# Altium PCB smoothieboard-5driver.PcbDoc (part 3 of 5) (continued)
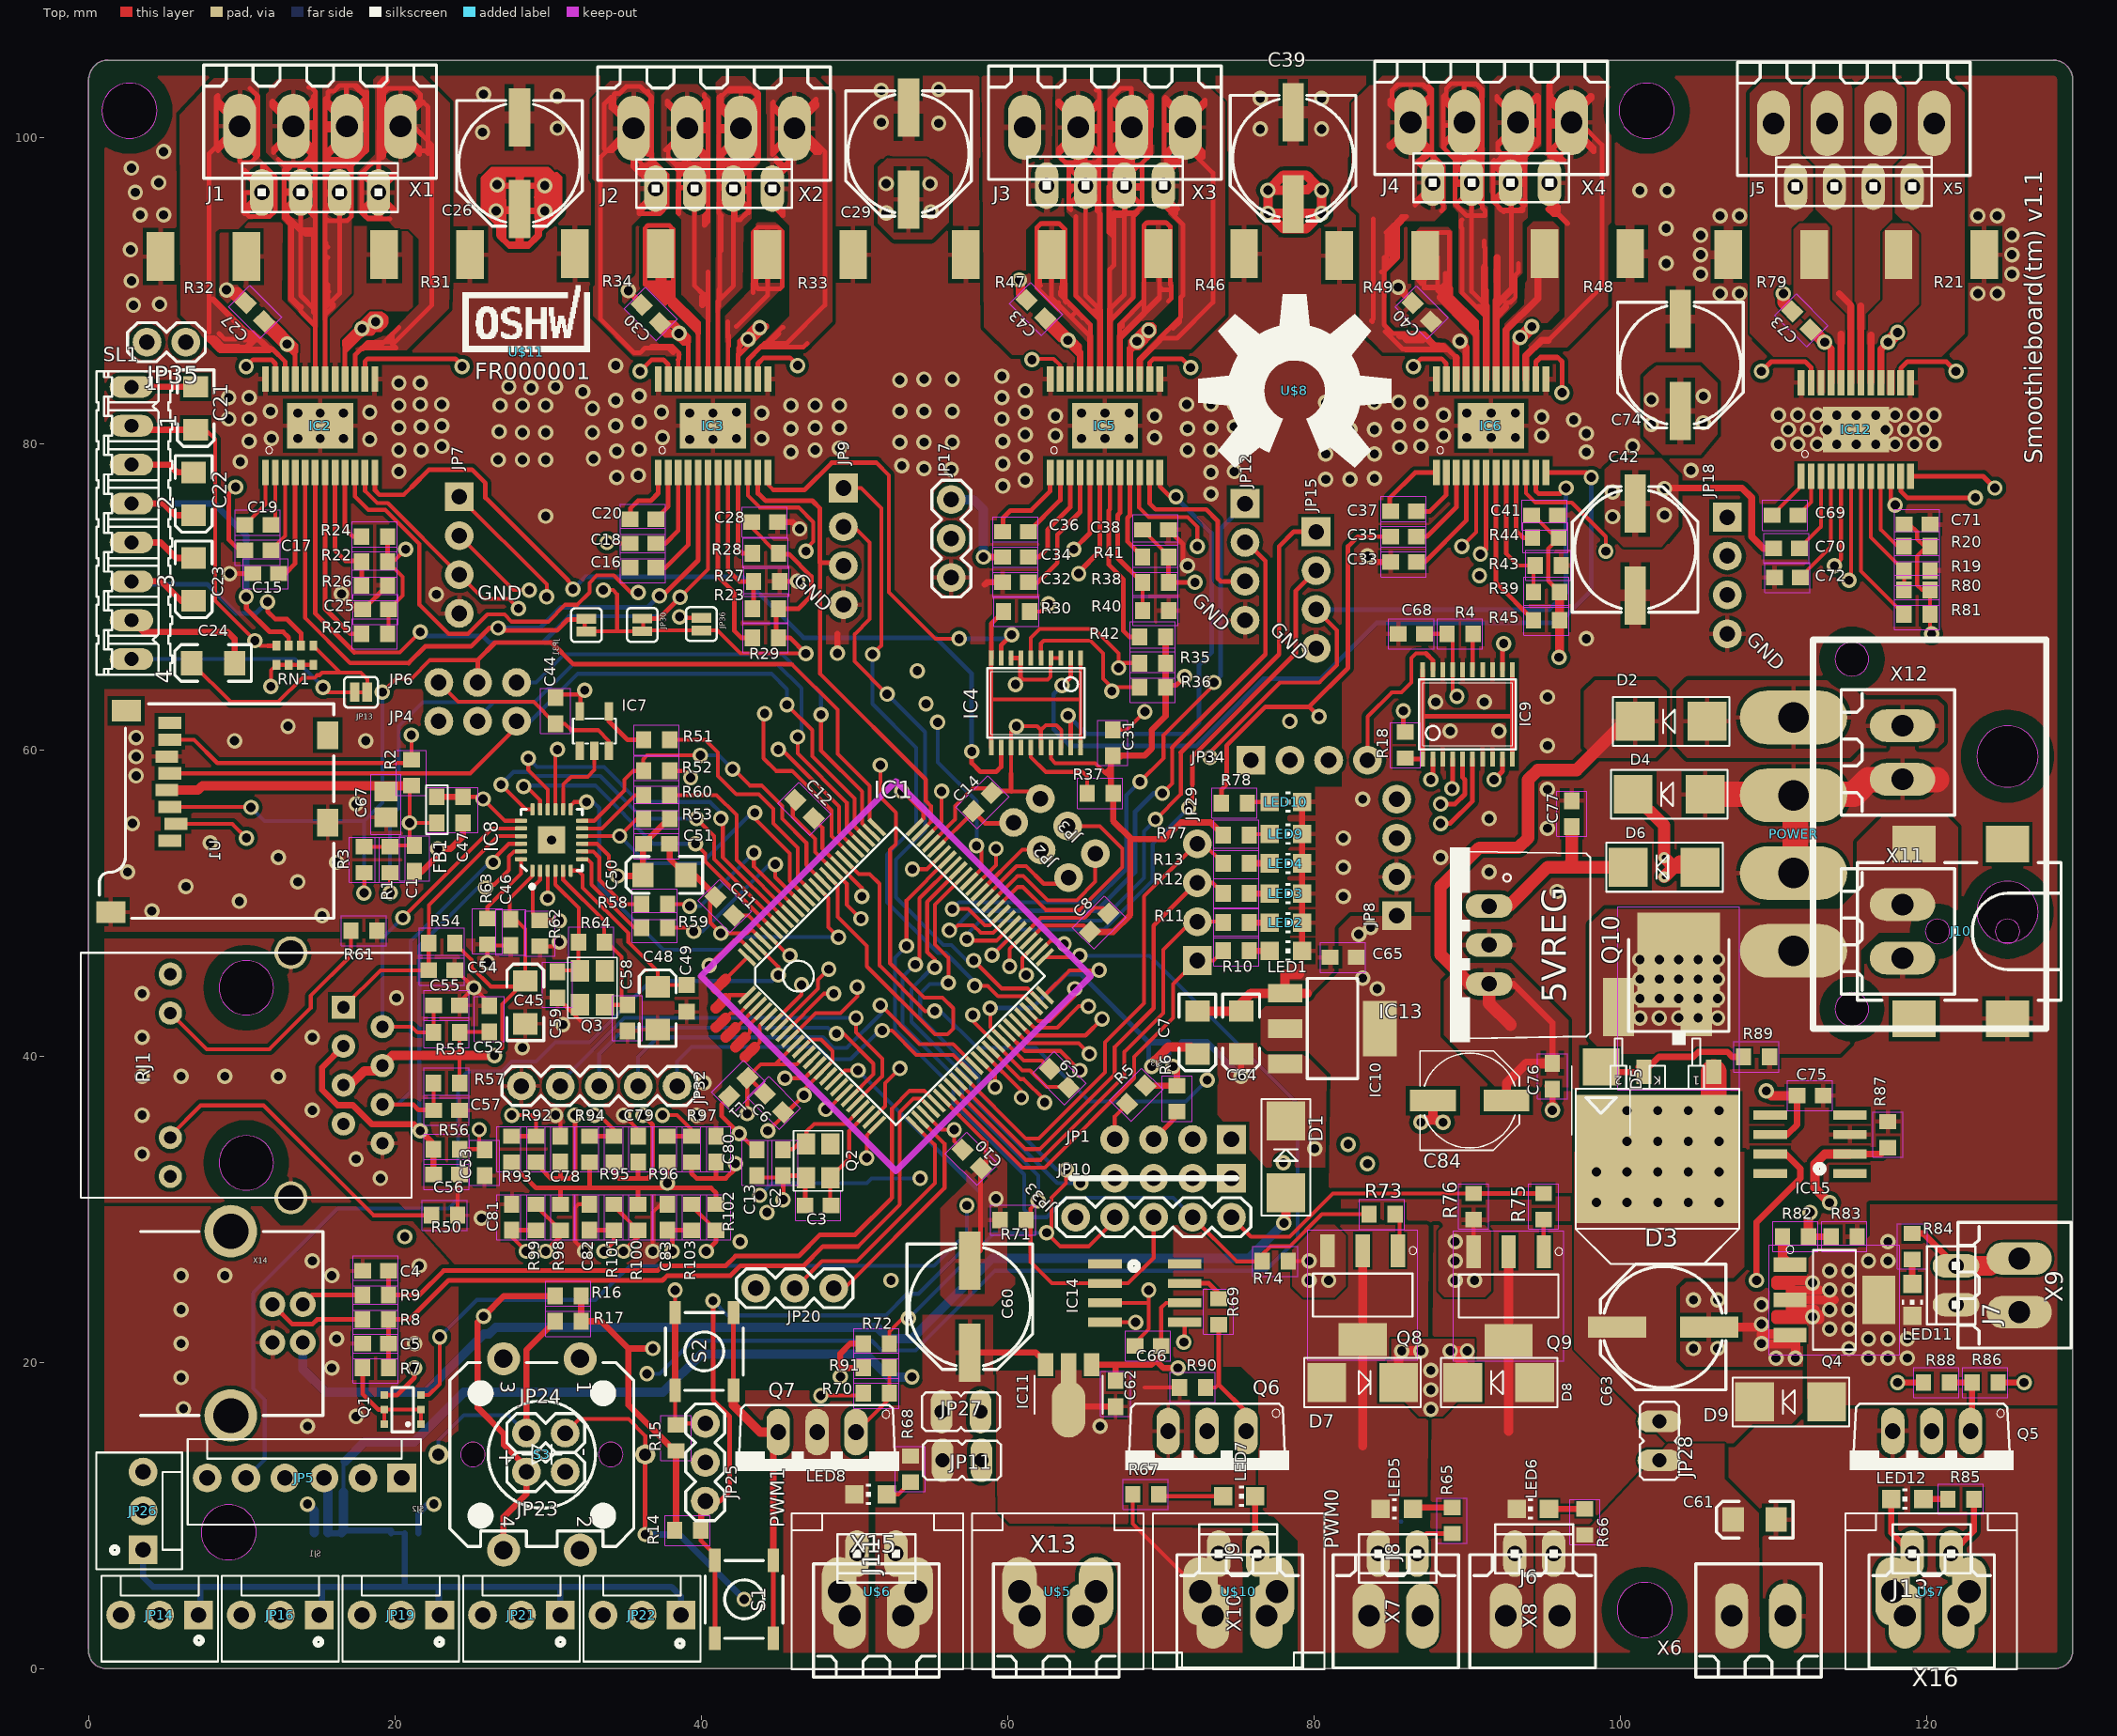
[diagram p0: Top view]
## Nets (pads, with @x,y where several pads share a name; then routed paths per layer and width w, separated by ;. In a path a pad name is that pad's centre, name@x,y a point inside that pad or via, vN(x,y) a via of type N, cw(c..) or ccw(c..) an arc to the next point about the centre after c; other vN are vias at no path point) (continued)
N$47: R50.2 RJ1.Y- | length 21
  Top w0.254: RJ1.Y-@5.342,34.671 5.342,34.798 7.311,36.767 11.438,36.767 18.614,29.591 R50.2@22.399,29.591
N$48: IC6.P15 J4.1 X4.1 | length 70.5
  Top w0.305: 95.258,95.313 95.639,94.932 95.957,94.932 96.528,94.361 96.592,94.361 95.449,95.504 95.385,95.504 ; 95.322,86.741 98.814,90.233 98.814,99.504 97.354,100.965 X4.1@96.825,100.965 96.973,100.817 96.973,99.695 95.385,98.108 J4.1@95.385,97.028 ; J4.1@95.322,97.091 95.322,95.822 95.957,95.186 95.957,95.313 ; 95.385,102.743 95.385,102.616 ; 95.576,99.187 96.782,100.393 96.782,100.457 96.719,100.457 95.576,99.314 95.576,99.251 95.449,99.123 95.449,99.06 95.322,98.933 95.322,103.378 95.449,103.505 95.449,102.425 X4.1@96.782,101.092 ; 95.385,99.441 95.385,100.711 ; 95.385,99.441 95.385,98.806 95.512,98.679 95.703,98.679 95.576,98.806 95.576,98.933 96.02,98.489 96.338,98.489 95.385,99.441 ; 95.385,100.711 96.782,100.711 96.846,100.774 98.306,99.314 98.306,99.06 98.243,99.06 96.846,100.457 96.846,101.536 98.052,102.743 98.116,102.743 98.179,102.679 98.179,102.552 96.909,101.282 96.846,101.282 95.512,102.616 95.512,102.743 95.385,102.616 ; 95.385,100.711 95.385,100.838 ; 95.385,100.838 96.846,100.838 96.909,100.901 96.909,101.028 96.846,101.092 X4.1@96.782,101.092 ; 95.385,100.838 95.385,101.092 ; 95.385,101.092 X4.1@96.592,101.092 ; 95.385,101.092 95.385,102.298 ; 95.385,102.298 95.385,102.616 ; 95.385,102.298 X4.1@96.592,101.092 ; 95.957,95.313 95.449,95.822 95.449,96.901 95.385,96.837 95.385,96.075 95.957,95.504 95.957,95.313 ; X4.1@96.592,101.092 X4.1@96.782,101.092
  Top w0.457: IC6.P15@93.85,84.203 93.85,85.714 94.877,86.741 95.322,86.741
N$49: IC6.P19 J4.3 X4.3 | length 107.8
  Top w0.305: 89.353,95.694 J4.3@90.051,96.393 ; 89.67,94.615 89.607,94.551 89.607,94.107 89.67,94.043 89.67,89.852 90.877,88.646 91.004,88.646 91.131,88.773 ; X4.3@89.825,100.965 89.825,97.445 J4.3@90.242,97.028 ; J4.3@90.305,97.028 J4.3@90.305,96.965 ; X4.3@90.813,102.298 89.861,101.346 X4.3@89.861,101.028 ; 90.94,95.631 J4.3@90.305,96.266 ; 90.94,98.489 J4.3@90.94,97.917 ; 91.131,90.678 91.131,90.043 91.194,89.98 91.194,91.567 ; 91.131,91.504 91.194,91.567 ; 91.131,91.63 91.194,91.567 ; 91.131,93.218 91.131,92.837 91.194,92.773 91.194,91.567 ; 91.194,88.328 90.75,88.773 90.75,88.963 91.131,88.963 91.194,89.027 ; 91.194,88.963 91.194,89.027 ; 91.258,88.963 91.25,88.971 91.194,89.027 ; 88.464,99.632 89.67,100.838 X4.3@89.861,100.838 ; 88.464,99.632 88.464,100.774 ; 88.464,99.632 88.464,99.314 88.527,99.251 ; 88.464,100.774 88.464,102.679 88.591,102.806 88.591,102.235 89.607,101.219 89.607,101.6 88.654,102.552 88.654,103.188 88.972,103.505 90.559,103.505 90.94,103.124 90.94,102.108 X4.3@89.861,101.028 ; 88.464,100.774 89.607,100.774 89.734,100.647 90.877,100.647 X4.3@90.877,100.838 ; 88.527,99.251 88.527,99.504 X4.3@89.861,100.838 ; 88.527,99.251 88.908,98.87 ; 88.908,98.87 88.972,98.806 ; 88.908,98.87 89.416,98.87 ; 88.972,98.806 89.353,98.806 89.416,98.87 ; 88.972,98.806 89.226,98.552 ; 89.226,98.552 90.75,98.552 91.004,98.298 ; 89.226,98.552 89.226,95.631 89.988,94.869 91.194,94.869 91.194,95.186 91.004,95.377 J4.3@91.004,96.965 ; 89.416,98.87 90.813,98.87 90.813,99.568 89.861,100.52 X4.3@89.861,100.838 ; 89.416,98.87 89.607,98.679 89.67,98.679 ; 89.67,98.679 89.289,98.298 89.289,97.028 J4.3@90.242,97.028 ; 89.67,98.679 90.94,98.679 90.94,98.933 89.607,98.933 89.353,98.679 89.289,98.679 89.67,99.06 89.67,101.663 89.797,101.79 89.797,103.441 90.686,103.441 91.004,103.124 91.004,100.838 ; X4.3@89.861,100.838 X4.3@89.861,100.901 ; X4.3@89.861,100.901 X4.3@89.924,100.838 ; X4.3@89.861,100.901 89.734,101.028 89.734,101.092 89.797,101.028 X4.3@89.861,101.028 ; X4.3@89.861,101.028 90.94,101.028 90.877,100.965 X4.3@90.877,100.838 ; X4.3@89.924,100.838 91.004,99.758 ; X4.3@89.924,100.838 X4.3@90.877,100.838 ; J4.3@90.051,96.393 J4.3@90.305,96.647 ; J4.3@90.051,96.393 90.051,97.346 89.416,97.98 89.416,98.108 J4.3@90.115,97.409 ; J4.3@90.115,97.091 J4.3@90.115,97.282 ; J4.3@90.115,97.091 J4.3@90.94,97.917 ; J4.3@90.115,97.091 90.813,97.091 90.94,97.218 J4.3@90.94,97.917 ; J4.3@90.115,97.091 89.353,97.091 89.353,96.901 90.94,96.901 J4.3@91.004,96.965 ; J4.3@90.115,97.282 J4.3@90.115,97.409 ; J4.3@90.115,97.282 90.813,97.98 90.813,98.234 90.115,97.536 J4.3@90.115,97.409 ; J4.3@90.242,97.028 J4.3@91.004,97.028 ; J4.3@90.242,97.028 J4.3@90.305,96.965 ; J4.3@90.305,96.266 J4.3@90.305,96.647 ; J4.3@90.305,96.266 90.305,89.916 91.194,89.027 ; J4.3@90.305,96.647 J4.3@90.305,96.965 ; X4.3@90.877,100.838 91.004,100.838 ; J4.3@91.004,96.965 J4.3@91.004,97.028 ; J4.3@91.004,97.028 91.004,98.298 ; 91.004,98.298 91.004,99.758 ; 91.004,99.758 91.004,100.838
  Top w0.457: 91.131,88.773 91.131,91.504 ; 91.194,89.027 91.194,89.98 ; IC6.P19@91.25,84.203 91.25,88.971
N$50: IC6.P22 J4.4 X4.4 | length 100.5
  Top w0.305: 83.828,87.947 83.765,88.011 83.892,88.138 83.892,94.678 ; 84.4,91.186 84.527,91.186 85.479,92.138 85.479,94.234 86.051,94.805 85.733,94.805 84.717,93.789 85.098,93.789 85.352,94.043 85.352,92.329 84.781,91.757 84.781,93.789 84.908,93.916 84.908,93.789 85.162,93.535 85.162,92.392 85.035,92.266 85.035,93.472 84.971,93.535 ; 84.59,92.138 84.59,87.757 85.162,87.185 87.194,87.185 87.956,86.423 ; 84.654,87.312 85.797,86.169 86.051,86.169 ; 85.924,86.804 86.051,86.677 87.13,86.677 86.876,86.931 85.606,86.931 85.543,86.995 85.543,87.058 87.067,87.058 87.702,86.423 87.956,86.423 ; 87.448,98.933 86.622,99.758 86.495,99.758 86.495,100.076 87.575,98.996 ; 87.511,103.314 87.702,103.124 87.702,102.997 ; 88.337,95.186 88.464,95.313 J4.4@88.464,96.965 ; IC6.P22@89.289,84.214 IC6.P22@89.3,84.203 ; 89.289,85.598 88.781,86.106 ; 86.051,86.169 85.987,86.106 88.781,86.106 ; 86.051,86.169 88.718,86.169 ; X4.4@86.305,100.901 X4.4@86.368,100.838 ; X4.4@86.305,100.901 84.908,99.504 84.908,99.377 84.971,99.314 85.098,99.314 X4.4@86.368,100.584 ; X4.4@86.305,100.901 86.241,100.965 86.114,100.965 84.971,102.108 84.971,102.425 86.241,101.155 86.241,101.092 86.368,101.219 86.368,101.282 85.098,102.552 85.098,103.06 85.479,103.441 87.13,103.441 87.575,102.997 87.575,102.743 86.432,101.6 86.432,101.219 87.638,102.425 87.638,103.06 87.702,102.997 ; X4.4@86.368,100.584 86.368,100.52 87.638,99.251 87.638,98.933 87.575,98.87 87.575,98.996 ; X4.4@86.368,100.584 X4.4@86.368,100.711 ; X4.4@86.368,100.711 X4.4@86.368,100.838 ; X4.4@86.368,100.711 87.702,100.711 ; X4.4@86.368,100.838 86.368,101.028 87.575,101.028 87.638,100.965 87.638,100.901 86.686,100.901 86.559,100.774 86.559,101.155 86.495,101.219 87.702,101.219 ; 87.575,98.996 87.384,98.996 86.94,98.552 86.94,98.425 87.003,98.361 87.575,98.933 87.575,99.06 87.702,99.187 ; 87.575,98.996 87.765,98.806 J4.4@87.765,97.536 ; 87.702,99.187 87.702,100.711 ; 87.702,99.187 87.702,98.87 88.464,98.108 J4.4@88.464,96.965 ; 87.702,100.711 87.702,101.219 ; 87.702,101.219 87.702,102.997 ; J4.4@87.765,97.155 J4.4@87.765,97.346 ; J4.4@87.765,97.155 J4.4@87.765,97.028 87.638,96.901 87.638,96.837 86.622,95.822 86.622,95.567 87.702,96.647 87.765,96.647 87.765,96.266 88.337,95.694 88.337,95.822 87.702,96.456 87.702,97.091 J4.4@87.765,97.155 ; J4.4@87.765,97.155 88.4,97.155 88.4,96.837 87.702,96.837 87.702,96.901 87.765,96.965 J4.4@88.464,96.965 ; J4.4@87.765,97.346 J4.4@87.765,97.536 ; J4.4@87.765,97.346 86.749,98.361 86.876,98.489 86.876,98.425 J4.4@87.765,97.536 ; 87.956,86.423 88.464,86.423 88.718,86.169 ; 88.718,86.169 88.781,86.106
  Top w0.457: IC6.P22@89.289,84.214 89.289,85.598
N$51: Q1.1 Q1.2 Q1.5 Q1.6 R7.2 | length 7.8
  Top w0.254: Q1.6@19.308,15.944 Q1.5@19.308,16.894 Q1.2@21.708,16.894 Q1.1@21.708,15.944
  Top w0.305: R7.2@17.891,19.621 17.891,17.931 18.928,16.894 Q1.5@19.308,16.894
N$52: D9.A J7.2 LED11.C Q4.4 X9.2 | length 19.1
  Top w0.61: 110.498,24.066 111.133,24.066 ; v1@112.721,23.431 111.451,23.431 111.451,23.114 113.038,23.114 113.038,22.796 110.181,22.796 110.181,23.114 111.133,23.114 111.133,24.066 ; 113.038,24.701 v1@112.403,24.701 ; 113.991,24.066 111.133,24.066 ; 111.133,24.066 111.133,24.701 ; 111.133,24.701 v1@112.403,24.701 ; 111.133,24.701 111.133,25.019 110.181,25.019 110.181,25.336 112.403,25.336 v1@112.403,24.701
  other v1: 116.213,20.256 117.483,20.256 118.753,20.256 114.943,20.892 116.213,21.526 117.483,21.526 118.753,21.526 113.673,22.162 114.943,22.162 112.562,22.955 113.673,23.431 114.943,23.431 113.673,24.701 114.943,24.701 112.562,25.178 113.673,25.971 114.943,25.971 116.213,26.607 117.483,26.607 117.483,27.877
N$53: IC6.P08 R39.1 R43.1 | length 9.3
  Top w0.254: 92.55,72.812 93.333,72.029 R43.1@94.458,72.029 94.345,71.916 R39.1@94.345,70.294
  Top w0.305: 92.55,72.812 IC6.P08@92.55,78.103
N$54: C33.2 IC6.P04 | length 7.5
  Top w0.305: C33.2@86.71,72.263 87.257,72.263 89.95,74.956 IC6.P04@89.95,78.103
N$55: IC8.7 R59.1 | length 6.6
  Top w0.254: IC8.7@32.203,52.832 IC8.7@32.214,52.832 ; IC8.7@32.234,52.852 IC8.7@32.214,52.832 ; R59.1@36.115,48.387 35.632,48.387 32.838,51.181 32.838,52.578 32.584,52.832 IC8.7@32.214,52.832
N$56: IC9.1 IC9.10 IC9.11 IC9.20 R18.1 | length 18.7
  Top w0.305: R18.1@85.976,59.454 86.038,59.391 IC9.1@87.118,59.391 87.118,62.166 ; IC9.20@87.118,65.227 87.118,62.166 ; IC9.10@92.968,59.391 92.968,62.166 ; IC9.11@92.968,65.227 92.968,62.166 ; 87.118,62.166 92.968,62.166
N$57: IC6.P09 R44.1 | length 5.1
  Top w0.305: IC6.P09@93.2,78.103 93.2,74.321 93.671,73.85 R44.1@94.281,73.85
N$58: C69.2 IC12.P01 | length 3.3
  Top w0.254: C69.2@109.921,75.309 111.821,77.209 IC12.P01@111.82,77.859
N$59: C69.1 IC12.P02 | length 2.9
  Top w0.254: C69.1@111.62,75.309 112.471,76.159 IC12.P02@112.47,77.859
N$60: IC6.P18 J4.2 X4.2 | length 92.1
  Top w0.305: 91.893,88.265 91.893,89.09 91.956,89.154 ; 91.893,89.344 92.02,89.471 ; 91.956,102.679 91.956,102.616 ; 92.083,99.504 X4.2@93.29,100.711 ; 92.337,98.87 92.845,98.87 ; 92.401,95.123 92.337,95.186 ; 92.528,88.9 92.528,89.218 92.845,89.218 93.163,89.535 93.163,90.995 93.353,91.186 93.353,91.757 ; J4.2@92.782,98.425 J4.2@92.782,98.108 ; J4.2@92.845,96.774 J4.2@92.845,96.584 ; 92.909,90.043 92.909,96.965 J4.2@92.845,97.028 ; 94.687,102.679 94.687,101.092 ; 91.702,96.012 91.766,95.948 ; 91.702,96.012 91.702,95.822 91.766,95.758 ; 91.702,96.012 91.702,98.425 91.766,98.489 91.766,98.108 J4.2@92.782,97.091 ; 91.766,95.758 91.766,95.885 ; 91.766,95.758 92.083,95.441 ; 91.766,95.885 91.766,95.948 ; 91.766,95.885 91.829,95.822 91.893,95.822 92.782,96.71 J4.2@92.782,96.965 ; 91.766,95.948 J4.2@92.782,96.965 ; 91.956,102.616 X4.2@93.353,101.219 ; 91.956,102.616 91.956,102.425 X4.2@93.353,101.028 ; 92.083,95.441 92.337,95.186 ; 92.083,95.441 92.083,95.377 92.21,95.25 93.48,95.25 93.798,95.567 93.798,95.631 ; 92.337,95.186 93.607,95.186 93.671,95.25 93.671,95.567 92.845,96.393 J4.2@92.845,96.584 ; J4.2@92.782,96.965 J4.2@92.782,97.091 ; J4.2@92.782,96.965 92.845,96.901 93.671,96.901 93.671,97.028 J4.2@92.845,97.028 ; J4.2@92.782,97.091 J4.2@92.782,97.155 ; J4.2@92.782,97.091 J4.2@92.845,97.155 ; J4.2@92.782,97.091 J4.2@92.845,97.028 ; J4.2@92.782,97.155 93.734,98.108 93.734,98.234 92.845,97.346 J4.2@92.845,97.155 ; J4.2@92.782,97.155 J4.2@92.782,97.409 ; J4.2@92.782,97.409 J4.2@92.782,98.108 ; J4.2@92.782,97.409 91.829,98.361 91.829,98.171 J4.2@92.845,97.155 ; J4.2@92.782,98.108 J4.2@92.909,98.234 ; J4.2@92.845,96.584 93.798,95.631 ; J4.2@92.845,97.028 92.909,97.028 J4.2@92.909,98.234 ; J4.2@92.845,97.155 93.734,97.155 93.798,97.091 ; 92.845,98.87 93.544,98.87 93.734,98.679 93.734,98.489 92.02,98.489 92.21,98.679 93.544,98.679 93.607,98.742 93.607,98.87 93.417,99.06 93.417,100.647 X4.2@93.48,100.711 ; 92.845,98.87 93.226,99.251 93.226,100.647 93.353,100.774 X4.2@93.353,100.838 ; J4.2@92.909,98.234 92.909,98.615 X4.2@93.226,98.933 ; X4.2@93.226,98.933 92.21,98.933 92.02,99.123 92.02,99.632 93.29,100.901 X4.2@93.29,100.711 ; X4.2@93.226,98.933 93.607,98.933 93.544,98.996 93.544,100.647 X4.2@93.48,100.711 ; X4.2@93.29,100.711 93.417,100.838 93.417,100.52 94.433,99.504 94.496,99.504 94.623,99.632 93.544,100.711 X4.2@93.48,100.711 ; X4.2@93.353,100.838 X4.2@93.353,101.028 ; X4.2@93.353,100.838 X4.2@93.48,100.711 ; X4.2@93.353,101.028 X4.2@93.353,101.219 ; X4.2@93.353,101.219 93.353,101.282 94.623,102.552 94.623,102.743 94.56,102.743 93.29,101.473 93.29,101.028 93.417,100.901 94.56,100.901 94.623,100.838 94.56,100.774 93.226,100.774 93.099,100.901 93.099,101.092 94.687,101.092 ; 93.798,95.631 93.798,97.091 ; 93.798,97.091 93.798,98.742 94.687,99.632 94.687,101.092
  Top w0.457: 91.893,88.265 92.528,88.9 ; 91.893,89.09 91.893,89.344 ; IC6.P18@91.9,84.203 91.9,89.035 92.909,90.043 ; 91.956,89.154 91.956,92.138
N$61: R8.1 X14.D+ | length 6.6
  Top w0.305: X14.D+@12.008,23.779 13.308,22.479 14.613,22.479 14.931,22.796 R8.1@17.891,22.796
N$62: R9.1 X14.D- | length 4.2
  Top w0.305: X14.D-@13.989,23.779 14.594,24.384 R9.1@17.891,24.384
N$63: IC8.11 R60.1 | length 4.9
  Top w0.254: IC8.11@32.234,54.852 33.524,54.852 35.695,57.023 R60.1@36.242,57.023
N$64: C70.2 IC12.P03 | length 5.3
  Top w0.254: C70.2@111.713,73.154 113.121,74.561 IC12.P03@113.12,77.859
N$65: IC12.P17 R21.2 | length 3.1
  Top w0.457: IC12.P17@116.37,83.959 116.37,87.089
N$66: IC12.P20 R79.2 | length 3.2
  Top w0.457: IC12.P20@114.42,83.959 114.421,87.136
N$67: C59.1 IC8.4 Q3.1 R64.2 | length 8.9
  Top w0.254: IC8.4@30.484,52.102 30.484,51.185 32.012,49.657 32.012,47.498 31.949,47.434 R64.2@31.988,47.434 31.988,45.681 32.101,45.568 Q3.1@32.101,45.55 ; C59.1@30.615,45.49 30.718,45.593 32.012,45.593 32.076,45.529 32.081,45.529 Q3.1@32.101,45.55 ; Q3.1@32.139,45.593 32.139,45.588 Q3.1@32.101,45.55
N$68: C58.1 IC8.5 Q3.2 R64.1 | length 12.1
  Top w0.254: IC8.5@30.984,52.102 30.984,51.51 33.663,48.831 33.663,47.459 R64.1@33.687,47.434 33.854,47.434 34.806,46.482 34.806,43.738 35.187,43.357 C58.1@35.187,43.331 33.719,43.331 Q3.2@33.701,43.35
N$69: IC8.24 R63.2 | length 4.8
  Top w0.254: R63.2@26.043,48.959 R63.2@26.043,48.983 26.043,49.721 28.234,51.912 IC8.24@28.234,52.852
N$70: IC12.P18 J5.2 X5.2 | length 5
  Top w0.457: IC12.P18@115.72,83.959 115.72,88.979
N$71: IC12.P15 J5.1 X5.1
N$72: IC12.P19 J5.3 X5.3 | length 6.1
  Top w0.406: 114.308,89.789 115.071,89.026 115.071,88.964
  Top w0.457: IC12.P19@115.07,83.959 115.071,88.964
N$73: JP24.1 R17.2 S3.C | length 15.9
  Top w0.254: R17.2@30.425,22.669 R17.2@30.464,22.669
  Top w0.406: JP24.1@28.583,15.367 28.583,20.789 R17.2@30.464,22.669
  Bottom w0.254: S3.C@22.849,13.97 22.849,14.87 24.508,16.529 27.421,16.529 JP24.1@28.583,15.367
N$74: Q8.1 R73.1 | length 2.5
  Top w0.254: R73.1@85.313,29.654 85.606,29.361 Q8.1@85.606,27.397
  Top w0.305: Q8.1@85.493,27.284 Q8.1@85.606,27.397
N$75: Q9.1 R75.1 | length 2.1
  Top w0.305: R75.1@95.004,29.313 95.004,27.234 Q9.1@95.018,27.22
N$76: IC12.P22 J5.4 X5.4
N$77: IC7.2 IC8.14 | length 5.3
  Top w0.254: IC8.14@30.984,56.102 30.996,56.114 30.996,57.721 31.504,58.229 32.584,58.229 33.028,58.674 IC7.2@33.028,59.914
N$78: IC7.4 R51.1 | length 3.4
  Top w0.305: IC7.4@33.978,62.514 33.978,61.852 35.187,60.642 R51.1@36.242,60.642
N$79: IC12.P08 R19.1 R80.1 | length 8.3
  Top w0.254: IC12.P08@116.37,77.859 116.37,73.859 R19.1@118.538,71.691 R80.1@118.538,70.421
N$80: LED9.A R77.1 | length 1.4
  Top w0.254: R77.1@75.788,54.419 75.851,54.483 LED9.A@77.126,54.483
N$81: LED5.A R65.2 | length 2.6
  Top w0.406: LED5.A@86.466,10.414 86.553,10.502 R65.2@89.035,10.502
N$82: C48.A C49.1 IC8.6 | length 12.4
  Top w0.254: IC8.6@31.484,52.102 31.98,52.102 32.266,51.816 32.266,50.99 35.251,48.006 35.251,47.434 37.156,45.529 C48.A@37.156,44.517 ; C48.A@37.029,44.644 C48.A@37.156,44.517 ; C49.1@39.061,44.627 37.265,44.627 C48.A@37.156,44.517
N$83: C72.2 IC12.P04 | length 7.4
  Top w0.254: C72.2@111.778,71.249 113.771,73.241 IC12.P04@113.771,77.859
N$84: LED4.A R13.1 | length 1.3
  Top w0.406: R13.1@75.788,52.578 LED4.A@77.126,52.578
N$85: LED3.A R12.1 | length 1.3
  Top w0.406: R12.1@75.788,50.609 LED3.A@77.126,50.609
N$86: LED2.A R11.1 | length 1.3
  Top w0.406: R11.1@75.788,48.704 LED2.A@77.126,48.704
N$87: LED1.A R10.1 | length 1.3
  Top w0.406: R10.1@75.788,46.863 LED1.A@77.126,46.863
N$88: D7.A J8.1 LED5.C Q8.4 X7.2 | length 13.3
  Top w0.61: 83.193,14.541 83.193,27.877
N$89: IC12.P09 R20.1 | length 5.5
  Top w0.254: IC12.P09@117.02,77.859 117.02,74.377 118.118,73.279 R20.1@118.538,73.279
N$90: C19.2 IC2.P01 | length 4
  Top w0.254: C19.2@10.207,74.676 11.546,76.015 IC2.P01@11.546,78.103
N$91: LED6.A R66.2 | length 2.3
  Top w0.406: LED6.A@95.356,10.414 R66.2@97.693,10.415
N$92: J9.1 LED7.C Q6.D U$10.P$1 X10.1 | length 3.8
  Top w0.406: LED7.C@76.179,11.239 76.179,7.643 J9.1@76.328,7.493
N$93: C19.1 IC2.P02 | length 3.5
  Top w0.254: C19.1@11.907,74.676 12.196,74.965 IC2.P02@12.196,78.103
N$94: J11.1 LED8.C Q7.D U$6.P$1 X15.1
N$95: IC12.P07 R81.1 | length 10.2
  Top w0.254: IC12.P07@115.72,77.859 115.72,71.652 R81.1@118.538,68.834
N$96: C17.2 IC2.P03 | length 5.5
  Top w0.254: C17.2@11.907,73.025 12.846,73.964 IC2.P03@12.846,78.103
N$97: Q4.1 R82.1 | length 2
  Top w0.61: R82.1@110.601,28.194 110.601,26.856 Q4.1@111.091,26.366
N$98: IC2.P17 R31.2
N$99: IC2.P20 R32.2
N$100: LED11.A R84.2 | length 1.6
  Top w0.406: LED11.A@119.071,25.117 R84.2@119.071,26.709
N$101: IC2.P18 J1.2 X1.2 | length 103.7
  Top w0.305: 15.439,88.519 15.439,89.281 ; 15.439,92.329 15.629,92.138 15.502,92.011 15.502,90.233 15.439,90.297 15.439,92.9 ; IC2.P18@15.446,84.203 15.446,88.844 16.391,89.789 J1.2@16.391,95.822 ; 15.502,88.456 16.01,88.963 16.01,89.09 15.629,89.09 15.629,90.361 15.439,90.361 15.439,89.725 ; 15.629,92.837 15.502,92.837 ; 15.693,89.916 15.629,89.916 15.439,89.725 ; J1.2@16.264,96.139 15.566,95.441 15.566,95.123 16.328,95.885 J1.2@16.328,96.456 ; 15.439,89.281 15.502,89.281 15.502,89.408 15.439,89.408 ; 15.439,89.281 15.439,89.408 ; 15.439,89.408 15.439,89.725 ; 15.439,92.9 15.439,93.154 ; 15.439,92.9 15.502,92.837 ; 15.439,93.154 15.502,93.091 15.502,92.837 ; 15.439,93.154 15.439,94.742 ; 15.439,94.742 15.629,94.551 16.899,94.551 17.153,94.805 17.153,96.329 ; 15.439,94.742 15.439,96.266 ; 15.439,96.266 16.328,96.266 J1.2@16.391,96.329 ; 15.439,96.266 15.439,96.329 ; 15.439,96.329 J1.2@16.391,96.329 ; 15.439,96.329 15.439,96.456 ; 15.439,96.456 16.264,96.456 J1.2@16.391,96.584 ; 15.439,96.456 15.439,97.727 ; 15.439,97.727 15.502,97.79 ; 15.439,97.727 15.439,98.87 ; 15.439,98.87 15.693,98.87 16.772,99.949 16.772,100.076 16.709,100.139 16.645,100.139 15.629,99.123 15.629,98.171 ; 15.439,98.87 15.756,98.552 17.407,98.552 17.979,99.123 17.979,99.187 17.153,100.013 17.026,100.013 16.899,99.885 17.725,99.06 18.106,99.06 ; 15.439,98.87 15.439,100.52 ; 15.439,100.52 15.502,100.457 16.709,100.457 16.772,100.52 X1.2@16.772,100.838 ; 15.439,100.52 15.439,100.647 ; 15.439,100.647 15.502,100.711 18.169,100.711 ; 15.439,100.647 15.439,100.901 ; 15.439,100.901 X1.2@16.772,100.901 ; 15.439,100.901 15.439,102.489 15.502,102.552 15.502,102.108 X1.2@16.772,100.838 ; 15.502,97.79 15.502,97.98 15.629,98.108 ; 15.502,97.79 15.629,97.917 ; 15.629,97.917 15.82,98.108 16.836,98.108 17.153,97.79 ; 15.629,97.917 15.629,98.108 ; 15.629,98.108 15.629,98.171 ; 15.629,98.171 15.82,98.361 17.217,98.361 17.153,98.298 17.153,98.108 ; J1.2@16.328,96.456 J1.2@16.391,96.393 ; J1.2@16.328,96.456 J1.2@16.328,96.647 ; J1.2@16.328,96.647 15.502,97.472 15.502,97.599 16.137,96.965 16.455,96.965 17.026,97.536 17.09,97.536 16.391,96.837 J1.2@16.391,96.393 ; J1.2@16.328,96.647 16.328,96.965 16.391,96.901 J1.2@16.391,96.584 ; J1.2@16.391,95.822 17.09,95.123 17.09,95.441 16.518,96.012 16.455,96.012 J1.2@16.391,96.075 ; J1.2@16.391,95.822 J1.2@16.391,96.075 ; J1.2@16.391,96.075 J1.2@16.391,96.329 ; J1.2@16.391,96.329 17.153,96.329 ; J1.2@16.391,96.329 J1.2@16.455,96.393 ; J1.2@16.391,96.329 J1.2@16.391,96.393 ; J1.2@16.391,96.393 J1.2@16.391,96.584 ; J1.2@16.391,96.584 16.455,96.52 J1.2@16.455,96.393 ; J1.2@16.455,96.393 16.518,96.456 16.836,96.456 17.026,96.647 17.153,96.647 ; X1.2@16.772,100.838 X1.2@16.772,100.901 ; X1.2@16.772,100.901 16.772,101.219 15.629,102.362 15.629,102.933 15.693,102.997 16.01,102.997 16.391,103.378 17.344,103.378 18.106,102.616 18.106,102.362 ; X1.2@17.026,100.711 17.026,100.838 17.09,100.901 18.106,100.901 18.106,100.774 18.169,100.711 ; X1.2@17.026,100.711 17.09,100.647 17.09,100.457 18.106,100.457 18.106,100.711 X1.2@17.026,100.711 ; X1.2@17.026,100.711 16.836,100.711 16.836,103.251 16.963,103.378 17.471,103.378 17.915,102.933 18.169,102.933 18.169,100.711 ; 17.153,96.329 17.153,96.647 ; 17.153,96.647 17.153,97.79 ; 17.153,97.79 17.153,98.108 ; 17.153,98.108 18.106,99.06 ; 18.106,99.06 18.106,102.235 ; 18.106,99.06 18.169,99.123 18.169,100.711 ; 18.106,102.235 16.899,101.028 16.899,101.409 17.979,102.489 18.106,102.362 ; 18.106,102.235 18.106,102.362
N$102: IC2.P15 J1.1 X1.1 | length 88
  Top w0.305: IC2.P15@17.396,84.203 17.407,84.214 17.407,85.788 17.788,86.169 ; 17.852,95.313 J1.1@18.804,96.266 ; 17.979,94.996 17.979,94.932 ; 18.36,86.423 19.122,86.423 20.265,87.566 ; 18.868,98.361 18.55,98.361 17.915,97.727 ; 19.185,102.298 20.138,101.346 20.138,100.901 18.995,102.044 18.995,102.616 19.566,103.188 21.281,103.188 21.662,102.806 21.662,102.489 20.455,101.282 20.455,100.901 21.852,102.298 22.17,101.981 22.17,98.933 21.979,99.123 21.471,99.123 20.582,100.013 20.582,100.33 21.598,99.314 21.598,98.87 X1.1@20.392,100.076 ; 19.693,94.678 19.058,94.678 ; X1.1@20.371,100.711 21.217,100.711 22.424,99.504 22.424,89.027 20.011,86.614 19.757,86.614 ; 17.788,86.169 17.915,86.169 18.36,86.614 ; 17.788,86.169 17.852,86.233 ; 17.852,86.233 20.074,86.233 19.82,86.487 19.82,86.55 ; 17.852,86.233 18.233,86.614 18.36,86.614 ; 17.852,97.536 17.852,95.059 17.979,94.932 ; 17.852,97.536 17.852,97.663 17.915,97.727 ; 17.852,97.536 J1.1@18.931,96.456 ; 17.915,97.727 17.915,97.663 18.931,96.647 18.931,100.393 X1.1@20.392,100.393 ; 17.979,94.932 18.233,94.678 19.058,94.678 ; 18.36,86.614 19.312,86.614 ; J1.1@18.804,96.266 J1.1@18.931,96.393 ; J1.1@18.804,96.266 18.868,96.266 J1.1@18.931,96.203 ; J1.1@18.931,96.203 19.947,95.186 19.947,95.313 J1.1@19.058,96.203 ; J1.1@18.931,96.203 J1.1@18.931,96.393 ; J1.1@18.931,96.203 18.931,96.139 18.042,95.25 18.042,94.932 18.233,94.742 18.804,94.742 18.804,96.329 J1.1@18.931,96.456 ; J1.1@18.931,96.393 J1.1@18.931,96.456 ; J1.1@18.931,96.393 J1.1@19.058,96.266 ; J1.1@18.931,96.393 20.011,97.472 20.011,97.599 19.884,97.599 19.122,96.837 19.122,96.647 J1.1@18.931,96.456 ; J1.1@18.931,96.456 19.058,96.456 J1.1@19.058,96.266 ; 19.058,94.678 J1.1@19.058,96.203 ; J1.1@19.058,96.203 J1.1@19.058,96.266 ; 19.312,86.614 19.757,86.614 ; 19.312,86.614 19.82,87.122 19.82,86.55 ; 19.757,86.614 19.82,86.55 ; X1.1@20.392,100.076 19.122,98.806 19.122,99.187 20.392,100.457 X1.1@20.392,100.393 ; X1.1@20.392,100.076 X1.1@20.392,100.393
  Top w0.61: 19.122,98.806 19.122,103.441 19.376,103.695 ; 19.249,100.711 X1.1@20.328,100.711
N$103: IC2.P19 J1.3 X1.3 | length 102.9
  Top w0.305: 12.391,98.552 12.645,98.298 ; 13.851,88.9 13.851,88.646 14.804,87.694 ; J1.3@13.915,96.456 13.978,96.52 13.978,98.044 13.915,98.108 13.915,96.647 14.105,96.647 14.804,97.346 ; 14.359,103.251 14.55,103.251 14.804,102.997 14.804,100.838 ; 14.55,98.87 13.724,99.695 13.724,100.711 X1.3@13.597,100.838 ; 14.677,89.852 14.677,89.599 14.804,89.471 14.804,88.646 14.74,88.582 ; IC2.P19@14.796,84.203 14.796,88.717 13.851,89.662 13.851,93.916 J1.3@13.851,96.393 ; 12.645,98.298 12.772,98.171 13.28,98.171 ; 12.645,98.298 13.788,98.298 ; 12.772,96.266 12.772,96.52 ; 12.772,96.266 12.835,96.329 13.788,96.329 J1.3@13.978,96.139 ; 12.772,96.266 12.772,95.059 14.169,93.662 14.74,93.662 14.804,93.726 14.804,97.346 ; 12.772,96.52 13.724,96.52 J1.3@13.788,96.456 ; 12.772,96.52 12.772,97.853 12.835,97.917 ; 12.835,97.79 13.851,96.774 13.851,97.79 14.232,98.171 ; 12.835,97.79 12.835,97.917 ; 12.835,97.79 12.835,97.536 13.661,96.71 J1.3@13.788,96.71 ; 12.835,97.917 13.026,97.917 13.28,98.171 ; 13.28,98.171 14.232,98.171 ; X1.3@13.28,100.457 12.073,99.251 12.073,98.996 13.534,100.457 13.534,100.774 X1.3@13.597,100.838 ; X1.3@13.28,100.457 X1.3@13.28,100.647 ; X1.3@13.28,100.457 14.74,98.996 14.74,98.806 14.232,98.298 14.232,98.171 ; X1.3@13.28,100.647 13.28,100.838 13.153,100.838 11.946,102.044 11.946,102.298 12.01,102.362 13.28,101.092 13.597,101.092 14.74,102.235 14.74,102.616 14.677,102.679 14.677,102.489 13.407,101.219 13.407,101.028 X1.3@13.597,100.838 ; X1.3@13.28,100.647 13.343,100.711 13.343,100.647 14.74,99.251 14.74,100.647 13.47,100.647 13.407,100.711 13.407,100.965 14.677,100.965 14.804,100.838 ; X1.3@13.597,100.838 14.804,100.838 ; J1.3@13.788,96.456 13.788,96.012 12.899,95.123 12.899,95.441 13.724,96.266 13.724,96.647 J1.3@13.788,96.71 ; J1.3@13.788,96.456 J1.3@13.788,96.71 ; J1.3@13.788,96.71 13.788,98.298 ; 13.788,98.298 14.042,98.298 ; J1.3@13.851,96.393 14.677,96.393 14.74,96.456 14.74,96.203 13.978,96.203 J1.3@13.978,96.139 ; J1.3@13.851,96.393 13.851,96.71 14.486,97.346 14.804,97.346 ; J1.3@13.978,96.012 J1.3@13.978,96.139 ; J1.3@13.978,96.012 14.74,95.25 14.74,94.805 13.978,95.567 J1.3@13.978,96.012 ; 14.042,98.298 14.296,98.298 14.613,98.615 14.677,98.615 14.74,98.552 14.74,98.489 14.423,98.171 ; 14.042,98.298 14.804,99.06 ; 14.232,98.171 14.423,98.171 ; 14.423,98.171 14.55,98.171 14.804,97.917 ; 14.804,97.346 14.804,97.917 ; 14.804,97.917 14.804,99.06 ; 14.804,99.06 14.804,100.838
  Top w0.406: 13.851,88.9 13.788,88.9 13.216,89.471 13.216,94.361 12.835,94.742 12.835,95.059 12.899,95.123 12.899,94.869 13.851,93.916 14.613,93.916 14.74,93.789 14.74,88.582